# Altium PCB Beagle93.PCBDOC (part 3 of 7)
Units mm, origin at the board's own origin, x right, y up, seen from the top; angles counter-clockwise.
Board outline 86.3 x 85.3 mm, 6 copper layers (TopLayer, MidLayer1, MidLayer2, SignalLayer1, Internal Plane 1, BottomLayer), stack 1.528 mm thick; 387 components, 325 nets, 1796 pads, 884 vias.
Unrouted connection lines stored in the file: 7.
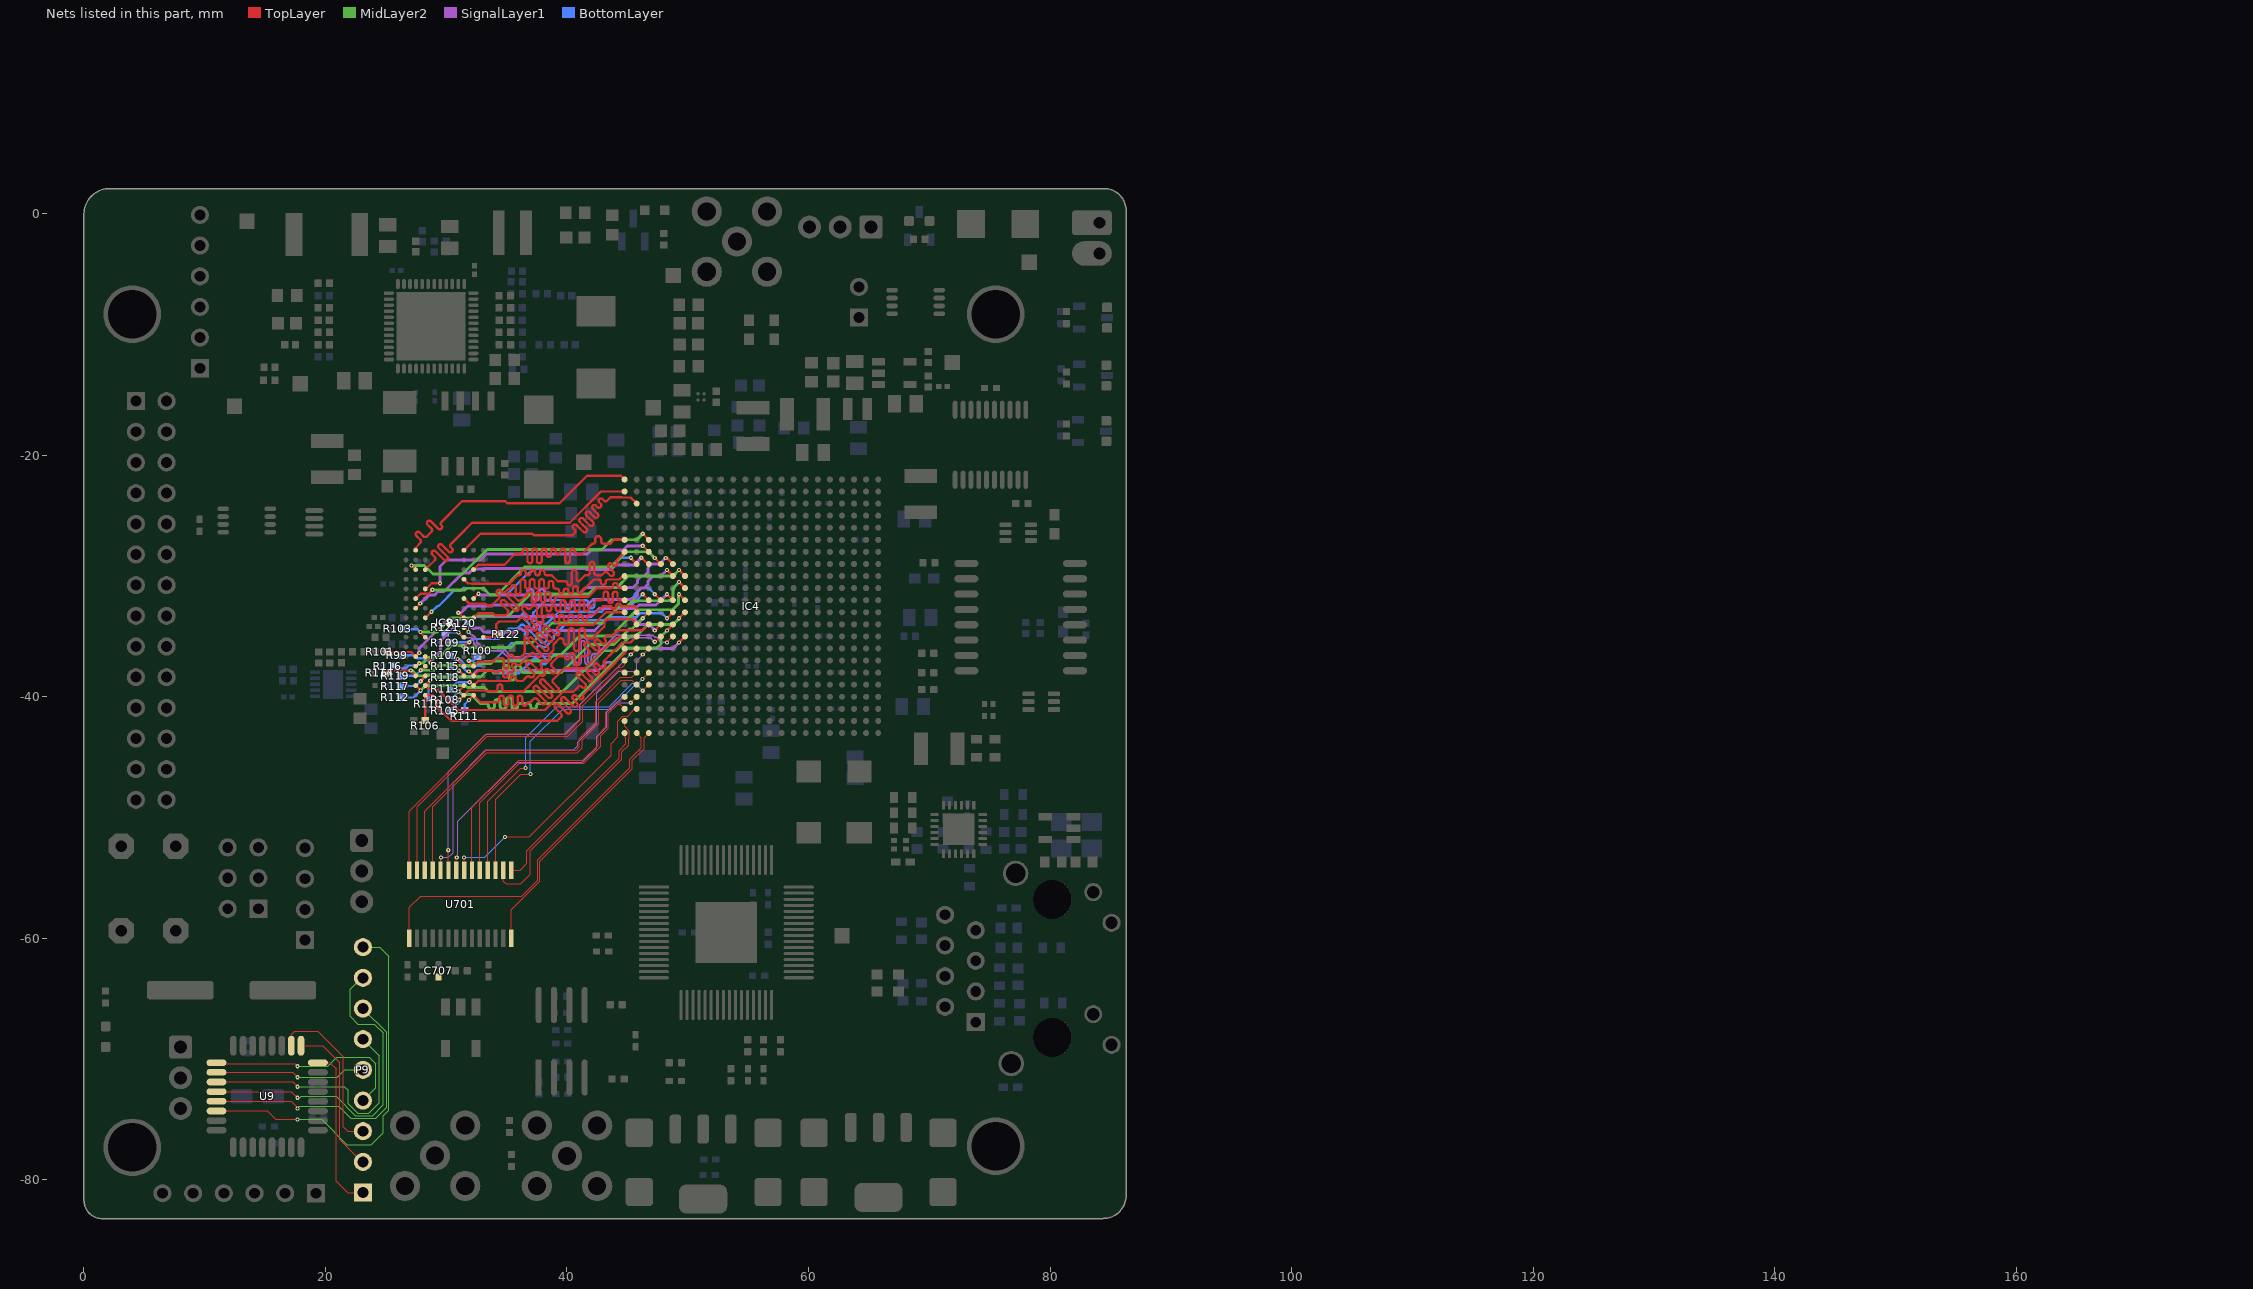
[diagram p7: the nets of this part, all layers, seen from the top]

## Via types
v1: diameter 0.35, hole 0.15, TopLayer to BottomLayer, tented both sides, 544 vias
v2: diameter 0.5, hole 0.2, TopLayer to BottomLayer, tented both sides, 183 vias
v3: diameter 0.6, hole 0.3, TopLayer to BottomLayer, tented both sides, 65 vias
v4: diameter 0.8, hole 0.5, TopLayer to BottomLayer, tented both sides, 53 vias
v5: diameter 0.8, hole 0.5, TopLayer to BottomLayer, 25 vias
v6: diameter 0.61, hole 0.305, TopLayer to BottomLayer, 12 vias
v7: diameter 0.508, hole 0.254, TopLayer to BottomLayer, 1 vias
v8: diameter 0.635, hole 0.381, TopLayer to BottomLayer, 1 vias

## Nets (pads, with @x,y where several pads share a name; then routed paths per layer and width w, separated by ;. In a path a pad name is that pad's centre, name@x,y a point inside that pad or via, vN(x,y) a via of type N, cw(c..) or ccw(c..) an arc to the next point about the centre after c; other vN are vias at no path point) (continued)
D2: P9.1 U9.32 | length 13.6
  TopLayer w0.1: U9.32@19.372,-70.285 20.372,-70.285 20.872,-70.785 20.872,-80.085 21.827,-81.04 P9.1@23.1,-81.04
D3: P9.2 U9.1 | length 12.9
  TopLayer w0.1: U9.1@17.972,-68.885 19.772,-68.885 21.172,-70.285 21.172,-76.685 22.987,-78.5 P9.2@23.1,-78.5
D4: P9.3 U9.2 | length 13.8
  TopLayer w0.1: U9.2@17.172,-68.885 17.172,-67.985 17.472,-67.685 19.372,-67.685 21.472,-69.785 21.472,-75.585 21.847,-75.96 P9.3@23.1,-75.96
D5: P9.4 U9.9 | length 17.3
  TopLayer w0.1: U9.9@10.972,-70.285 11.072,-70.385 17.472,-70.385 v1(17.672,-70.585)
  MidLayer2 w0.1: v1(17.672,-70.585) 20.172,-70.585 20.927,-69.83 23.617,-69.83 24.15,-70.363 24.15,-72.37 P9.4@23.1,-73.42
D6: P9.5 U9.10 | length 12.5
  TopLayer w0.1: U9.10@10.972,-71.085 17.272,-71.085 v1(17.672,-71.485)
  MidLayer2 w0.1: v1(17.672,-71.485) 20.972,-71.485 21.577,-70.88 P9.5@23.1,-70.88
D7: P9.6 U9.11 | length 21.4
  TopLayer w0.1: U9.11@10.972,-71.885 17.272,-71.885 v1(17.672,-72.285)
  MidLayer2 w0.1: v1(17.672,-72.285) 21.572,-72.285 21.872,-72.585 21.872,-73.677 22.665,-74.47 23.587,-74.47 24.472,-73.585 24.472,-69.712 P9.6@23.1,-68.34
D8: P9.7 U9.13 | length 24.3
  TopLayer w0.1: U9.13@10.972,-73.485 17.172,-73.485 17.672,-73.985 v1(17.672,-74.085)
  MidLayer2 w0.1: v1(17.672,-74.085) 17.847,-73.91 21.097,-73.91 22.072,-74.885 24.172,-74.885 25.072,-73.985 25.072,-67.772 P9.7@23.1,-65.8
D9: P9.8 U9.12 | length 28
  TopLayer w0.1: U9.12@10.972,-72.685 17.172,-72.685 v1(17.672,-73.185)
  MidLayer2 w0.1: v1(17.672,-73.185) 17.872,-73.185 17.972,-73.085 20.872,-73.085 22.448,-74.661 23.896,-74.661 24.772,-73.785 24.772,-67.809 24.048,-67.085 22.678,-67.085 22.05,-66.457 22.05,-64.207 22.997,-63.26 P9.8@23.1,-63.26
D10: P9.9 U9.14 | length 32.7
  TopLayer w0.1: U9.14@10.972,-74.285 15.172,-74.285 15.872,-74.985 v1(17.672,-74.985)
  MidLayer2 w0.1: v1(17.672,-74.985) 19.672,-74.985 21.772,-77.085 23.772,-77.085 24.772,-76.085 24.772,-74.685 25.248,-74.209 25.248,-61.461 24.507,-60.72 P9.9@23.1,-60.72
DAC_3V3A: C707.1
DAC_CLK: IC4.AB3 U701.28 | length 21.7
  TopLayer w0.095: U701.28@35.379,-59.981 35.379,-57.638 37.756,-55.261 37.756,-53.601 45.412,-45.945 45.412,-45.249 46.382,-44.28 46.382,-43.375 IC4.AB3@46.772,-42.985
DAC_D0: IC4.T1 U701.14 | length 28.8
  TopLayer w0.095: U701.14@26.929,-54.342 26.929,-49.468 33.372,-43.025 39.98,-43.025 41.105,-41.9 41.105,-40.629 43.897,-37.837 44.204,-37.53 44.566,-37.53 44.772,-37.324 IC4.T1@44.772,-36.985
DAC_D1: IC4.U1 U701.13 | length 28
  TopLayer w0.095: U701.13@27.579,-54.342 27.579,-49.078 33.412,-43.245 40.071,-43.245 40.2,-43.116 41.325,-41.991 41.325,-40.72 44.295,-37.75 44.537,-37.75 IC4.U1@44.772,-37.985
DAC_D2: IC4.U2 U701.12 | length 28.6
  TopLayer w0.095: U701.12@28.229,-54.342 28.229,-49.469 33.299,-44.4 38.937,-44.4 40.75,-44.4 41.03,-44.12 41.03,-43.472 42.394,-42.108 42.394,-40.39 43.38,-39.404 44.409,-38.375 44.803,-38.375 45.382,-38.375 IC4.U2@45.772,-37.985
DAC_D3: IC4.V2 U701.11 | length 28
  TopLayer w0.095: U701.11@28.879,-54.342 28.879,-49.08 33.339,-44.62 40.841,-44.62 41.25,-44.211 41.25,-43.563 42.614,-42.199 42.614,-40.481 44.5,-38.595 44.712,-38.595 45.382,-38.595 IC4.V2@45.772,-38.985
DAC_D4: IC4.R3 U701.10 | length 30.9
  TopLayer w0.1: U701.10@29.529,-54.342 29.529,-53.328 v1(29.572,-53.285) ; v1(46.272,-36.485) IC4.R3@46.772,-35.985
  SignalLayer1 w0.1: v1(29.572,-53.285) 30.172,-53.285 30.572,-52.885 30.572,-47.085 33.272,-44.385 40.557,-44.385 40.896,-44.046 40.896,-43.761 42.472,-42.185 42.472,-39.685 44.272,-37.885 45.672,-37.885 45.772,-37.785 45.772,-36.985 v1(46.272,-36.485)
DAC_D5: IC4.R2 U701.9 | length 28.7
  TopLayer w0.095: v1(30.172,-52.685) 30.179,-52.692 U701.9@30.179,-54.342
  TopLayer w0.125: v1(45.276,-36.486) 45.772,-35.989 IC4.R2@45.772,-35.985
  SignalLayer1 w0.095: v1(30.172,-52.685) 30.172,-46.185 33.272,-43.085 39.83,-43.085 41.072,-41.843 41.072,-40.643 45.229,-36.486 v1(45.276,-36.486)
DAC_D6: IC4.W2 U701.8 | length 24.4
  TopLayer w0.1: U701.8@30.829,-54.342 30.829,-53.328 v1(30.872,-53.285) ; v1(45.272,-40.485) IC4.W2@45.772,-39.985
  SignalLayer1 w0.1: v1(30.872,-53.285) 30.948,-53.209 30.948,-50.309 35.872,-45.385 41.272,-45.385 42.472,-44.185 42.472,-43.285 43.272,-42.485 43.272,-41.285 44.072,-40.485 v1(45.272,-40.485)
DAC_D7: IC4.Y2 U701.7 | length 21.8
  TopLayer w0.095: v1(31.472,-53.285) 31.479,-53.292 U701.7@31.479,-54.342 ; v1(34.872,-51.585) 36.872,-51.585 43.651,-44.806 43.651,-43.855 44.193,-43.313 44.193,-42.017 44.619,-41.591 45.023,-41.591 45.582,-41.033 45.725,-41.033 IC4.Y2@45.772,-40.985
  BottomLayer w0.095: v1(31.472,-53.285) 33.172,-53.285 v1(34.872,-51.585)
DAC_D8: IC4.W1 U701.6 | length 22.9
  TopLayer w0.095: U701.6@32.129,-54.342 32.129,-49.141 36.015,-45.255 41.305,-45.255 42.568,-43.992 42.568,-43.128 43.211,-42.485 43.211,-41.273 44.109,-40.375 44.382,-40.375 IC4.W1@44.772,-39.985
DAC_D9: IC4.Y1 U701.5 | length 22.3
  TopLayer w0.095: U701.5@32.779,-54.342 32.779,-48.751 36.055,-45.475 41.396,-45.475 42.788,-44.083 42.788,-43.22 43.431,-42.576 43.431,-41.364 44.2,-40.595 44.382,-40.595 IC4.Y1@44.772,-40.985
DAC_D10: IC4.U3 U701.4 | length 24.9
  TopLayer w0.095: U701.4@33.429,-54.342 33.429,-48.628 36.172,-45.885 v1(36.572,-45.885) ; v1(46.26,-38.515) 46.26,-38.497 IC4.U3@46.772,-37.985
  BottomLayer w0.095: v1(36.572,-45.885) 36.572,-43.385 39.15,-40.807 43.492,-40.807 45.424,-38.875 45.882,-38.875 46.242,-38.515 v1(46.26,-38.515)
DAC_D11: IC4.V3 U701.3 | length 24.4
  TopLayer w0.095: U701.3@34.079,-54.342 34.079,-48.478 36.172,-46.385 v1(36.972,-46.385) ; v1(46.272,-39.485) IC4.V3@46.772,-38.985
  BottomLayer w0.095: v1(36.972,-46.385) 36.972,-43.685 39.63,-41.027 43.584,-41.027 45.515,-39.095 45.882,-39.095 v1(46.272,-39.485)
DAC_D12: IC4.AA1 U701.2 | length 19.8
  TopLayer w0.095: U701.2@34.729,-54.342 34.729,-55.242 34.972,-55.485 36.172,-55.485 36.972,-54.685 36.972,-52.739 44.549,-45.162 44.549,-44.532 45.099,-43.982 45.099,-43.475 45.158,-43.416 45.158,-42.825 44.772,-42.439 IC4.AA1@44.772,-41.985
DAC_D13: IC4.AB1 U701.1 | length 15.8
  TopLayer w0.095: U701.1@35.379,-54.342 36.115,-54.342 36.672,-53.785 36.672,-52.725 41.412,-47.985 41.415,-47.985 43.507,-45.893 44.18,-45.22 44.329,-45.071 44.329,-44.441 44.879,-43.89 44.879,-43.389 44.772,-43.283 IC4.AB1@44.772,-42.985 IC4.AB1@44.725,-42.938
DAC_SLEEP: IC4.AB2 U701.15 | length 30
  TopLayer w0.095: U701.15@26.929,-59.981 26.929,-57.428 27.872,-56.485 36.272,-56.485 37.572,-55.185 37.572,-53.462 45.192,-45.841 45.192,-45.158 46.162,-44.189 46.162,-43.375 IC4.AB2@45.772,-42.985
DDR3_A0: IC4.L6 IC8.N3 R119.1 | length 27.5
  TopLayer w0.19: v1(27.885,-37.79) 27.932,-37.79 28.267,-37.455 IC8.N3@28.267,-37.451 ; v1(49.272,-31.485) IC4.L6@49.772,-31.985
  MidLayer2 w0.24: v1(27.885,-37.79) 28.985,-37.79 29.4,-37.375 31.607,-37.375 31.676,-37.445 32.045,-37.445 32.265,-37.225 33.698,-37.225 33.917,-37.006 36.825,-37.006 38.444,-37.006 38.925,-36.525 39.485,-36.525 41.076,-34.934 43.77,-34.934 43.795,-34.91 44.055,-34.649 44.055,-34.545 45.825,-32.775 48.725,-32.775 49.25,-32.25 49.25,-31.507 v1(49.272,-31.485)
  BottomLayer w0.19: R119.1@26.345,-38.175 26.405,-38.235 27.44,-38.235 v1(27.885,-37.79)
DDR3_A1: IC4.M5 IC8.P7 R118.1 | length 24.6
  TopLayer w0.19: v1(31.05,-37.834) IC8.P7@31.467,-38.251 ; v1(48.272,-33.485) IC4.M5@48.772,-32.985
  BottomLayer w0.19: R118.1@30.37,-38.375 30.509,-38.375 v1(31.05,-37.834) 31.526,-38.31 32.896,-38.31 33.375,-37.831 33.723,-37.831 33.917,-38.025 36.05,-38.025 37.05,-37.025 37.214,-36.861 cw(c37.387,-37.034) 37.561,-36.861 37.922,-37.222 ccw(c38.095,-37.049) 38.268,-37.222 ccw(c38.095,-37.049) 38.268,-36.876 37.734,-36.341 37.561,-36.168 cw(c37.734,-35.995) 37.561,-35.821 cw(c37.734,-35.995) 37.907,-35.821 ccw(c38.08,-35.648) 38.254,-35.822 38.427,-35.648 38.6,-35.475 38.9,-35.175 38.9,-34.95 39.8,-34.05 40.22,-33.63 43.161,-33.63 43.401,-33.39 45.773,-33.39 46.098,-33.065 47.84,-33.065 47.969,-33.194 47.981,-33.194 v1(48.272,-33.485)
DDR3_A2: IC4.P6 IC8.P3 R117.1 | length 26.2
  TopLayer w0.19: v1(27.885,-38.69) 27.872,-38.69 27.86,-38.678 27.86,-38.658 IC8.P3@28.267,-38.251 ; v1(49.272,-35.485) IC4.P6@49.772,-34.985
  SignalLayer1 w0.24: v1(27.885,-38.69) 27.86,-38.665 28.345,-38.18 28.859,-38.18 29.014,-38.335 32.044,-38.335 32.573,-37.806 33.827,-37.806 33.917,-37.896 34.285,-37.896 34.375,-37.806 42.6,-37.806 43.281,-37.125 43.875,-37.125 45,-36 48.757,-36 v1(49.272,-35.485)
  BottomLayer w0.19: R117.1@26.245,-38.95 26.38,-39.085 27.49,-39.085 v1(27.885,-38.69)
DDR3_A3: IC4.K6 IC8.N2 R116.1 | length 28.1
  TopLayer w0.19: IC8.N2@27.467,-37.451 27.713,-37.205 v1(27.771,-37.205) ; v1(49.275,-30.488) IC4.K6@49.772,-30.985
  MidLayer2 w0.24: v1(27.771,-37.205) 28.054,-37.205 28.539,-36.72 29.43,-36.72 30.4,-35.75 31.566,-35.75 31.725,-35.91 35.365,-35.91 35.775,-35.5 37.125,-35.5 38.75,-33.875 42.955,-33.875 44.305,-32.525 44.95,-32.525 45.44,-32.035 48.44,-32.035 48.775,-31.7 48.775,-31 49.275,-30.5 v1(49.275,-30.488)
  BottomLayer w0.19: R116.1@25.805,-37.61 26.671,-37.61 26.886,-37.395 27.234,-37.395 27.239,-37.4 27.574,-37.4 v1(27.771,-37.205)
DDR3_A4: IC4.M1 IC8.P8 R115.1 | length 27.6
  TopLayer w0.19: v1@31.82,-37.8 31.86,-37.84 v1(31.86,-37.89) 31.906,-37.89 IC8.P8@32.267,-38.251 32.687,-37.831 32.904,-37.831 32.908,-37.835 33.226,-37.835 33.23,-37.831 33.887,-37.831 34.006,-37.95 34.125,-37.95 34.32,-37.95 cw(c34.465,-37.95) 34.465,-37.805 34.565,-37.805 cw(c34.565,-37.95) 34.71,-37.95 34.71,-38.197 ccw(c34.905,-38.197) 34.905,-38.392 ccw(c34.905,-38.197) 35.1,-38.197 35.1,-38.145 cw(c35.295,-38.145) 35.295,-37.95 35.475,-37.95 35.55,-37.875 ccw(c35.412,-37.737) 35.55,-37.599 35.494,-37.543 cw(c35.632,-37.405) 35.494,-37.267 cw(c35.632,-37.405) 35.77,-37.267 35.826,-37.323 ccw(c35.964,-37.186) 36.102,-37.323 36.239,-37.186 36.3,-37.125 36.975,-36.45 37.019,-36.406 cw(c37.157,-36.544) 37.295,-36.406 37.53,-36.641 ccw(c37.668,-36.504) 37.806,-36.641 ccw(c37.668,-36.504) 37.806,-36.366 37.433,-35.993 36.836,-35.396 cw(c36.974,-35.258) 36.836,-35.12 cw(c36.974,-35.258) 37.112,-35.12 37.708,-35.717 38.131,-36.14 ccw(c38.269,-36.002) 38.407,-36.14 ccw(c38.269,-36.002) 38.407,-35.864 37.984,-35.441 37.543,-35 cw(c37.68,-34.862) 37.543,-34.724 cw(c37.68,-34.862) 37.818,-34.724 38.26,-35.165 38.475,-35.38 ccw(c38.613,-35.242) 38.751,-35.38 ccw(c38.613,-35.242) 38.751,-35.104 38.536,-34.889 38.094,-34.448 cw(c38.232,-34.31) 38.094,-34.172 cw(c38.232,-34.31) 38.37,-34.172 38.811,-34.614 39.041,-34.844 ccw(c39.179,-34.706) 39.317,-34.844 ccw(c39.179,-34.706) 39.317,-34.568 39.225,-34.476 cw(c39.363,-34.338) 39.225,-34.2 39.4,-34.025 42.2,-34.025 43.24,-32.985 44.375,-32.985 IC4.M1@44.772,-32.985
  BottomLayer w0.19: R115.1@30.37,-37.45 30.406,-37.414 31.224,-37.414 31.7,-37.89 v1(31.86,-37.89)
DDR3_A5: IC4.M3 IC8.P2 R114.1 | length 27.8
  TopLayer w0.19: R114.1@25.089,-37.881 25.155,-37.815 26.488,-37.815 26.508,-37.835 26.826,-37.835 26.846,-37.815 v1(27.06,-37.815) 27.06,-37.824 27.05,-37.834 IC8.P2@27.467,-38.251 ; v1(46.272,-33.485) IC4.M3@46.772,-32.985
  MidLayer2 w0.24: v1(27.06,-37.815) 27.21,-37.815 27.64,-38.245 28.426,-38.245 28.491,-38.18 28.859,-38.18 29.014,-38.335 32.836,-38.335 33.365,-37.806 33.733,-37.806 33.902,-37.975 34.5,-37.975 ccw(c34.5,-37.735) 34.74,-37.735 34.74,-37.615 cw(c34.98,-37.615) 34.98,-37.375 cw(c34.98,-37.615) 35.22,-37.615 35.22,-37.975 35.22,-38.367 ccw(c35.46,-38.367) 35.46,-38.607 ccw(c35.46,-38.367) 35.7,-38.367 35.7,-37.975 35.7,-37.615 cw(c35.94,-37.615) 35.94,-37.375 cw(c35.94,-37.615) 36.18,-37.615 36.18,-37.735 ccw(c36.42,-37.735) 36.42,-37.975 37.075,-37.975 39.55,-37.975 41.875,-35.65 43.875,-35.65 45.15,-34.375 45.382,-34.375 v1(46.272,-33.485)
DDR3_A6: IC4.N2 IC8.R8 R113.1 | length 28.1
  TopLayer w0.19: v1(31.938,-38.78) 31.996,-38.78 IC8.R8@32.267,-39.051 32.651,-38.667 33.371,-38.667 33.375,-38.671 35.1,-38.671 35.126,-38.671 ccw(c35.126,-38.477) 35.32,-38.477 cw(c35.54,-38.477) 35.54,-38.257 cw(c35.54,-38.477) 35.76,-38.477 ccw(c35.954,-38.477) 35.954,-38.671 36.2,-38.671 36.329,-38.671 ; 35.845,-38.68 36.32,-38.68 36.329,-38.671 ; 38.207,-37.013 ccw(c38.097,-37.122) 37.988,-37.013 37.846,-37.154 ccw(c37.963,-37.271) 37.846,-37.388 cw(c37.69,-37.543) 37.846,-37.699 cw(c37.69,-37.543) 37.535,-37.699 37.418,-37.582 36.983,-37.147 ccw(c36.828,-37.303) 36.672,-37.147 ccw(c36.828,-37.303) 36.672,-37.458 37.107,-37.893 37.217,-38.003 cw(c37.061,-38.158) 37.217,-38.314 cw(c37.061,-38.158) 36.905,-38.314 ccw(c36.796,-38.424) 36.686,-38.314 36.485,-38.515 36.329,-38.671 ; 38.208,-37.013 ccw(c38.363,-36.858) 38.519,-37.013 ccw(c38.363,-36.858) 38.519,-36.702 cw(c38.629,-36.592) 38.519,-36.481 38.719,-36.281 38.875,-36.125 38.875,-35.65 39.4,-35.125 39.485,-35.125 cw(c39.485,-35.345) 39.705,-35.345 39.705,-35.443 ccw(c39.925,-35.443) 39.925,-35.663 ccw(c39.925,-35.443) 40.145,-35.443 40.145,-35.125 40.145,-34.524 cw(c40.365,-34.524) 40.365,-34.304 cw(c40.365,-34.524) 40.585,-34.524 40.585,-35.125 40.585,-35.97 ccw(c40.805,-35.97) 40.805,-36.19 ccw(c40.805,-35.97) 41.025,-35.97 41.025,-35.125 41.025,-34.524 cw(c41.245,-34.524) 41.245,-34.304 cw(c41.245,-34.524) 41.465,-34.524 41.465,-34.905 ccw(c41.685,-34.905) 41.685,-35.125 41.905,-35.125 42.125,-35.125 42.297,-34.953 42.608,-34.642 42.919,-34.331 43.075,-34.175 43.1,-34.15 43.1,-33.8 43.35,-33.55 45.337,-33.55 IC4.N2@45.772,-33.985
  BottomLayer w0.19: R113.1@30.37,-39.3 30.37,-39.28 30.87,-38.78 v1(31.938,-38.78)
DDR3_A7: IC4.M6 IC8.R2 R112.1 | length 27.6
  TopLayer w0.19: IC8.R2@27.467,-39.051 27.875,-39.459 v1(27.875,-39.475) ; v1(49.272,-33.485) IC4.M6@49.772,-32.985
  MidLayer2 w0.24: v1(27.875,-39.475) 28.28,-39.07 28.859,-39.07 28.879,-39.05 31.579,-39.05 31.754,-39.225 33.15,-39.225 33.485,-39.56 36.75,-39.56 39.175,-39.56 39.615,-39.56 43,-36.175 44.05,-36.175 45.263,-34.963 45.738,-34.963 46.7,-34 48.8,-34 49.272,-33.528 v1(49.272,-33.485)
  BottomLayer w0.19: R112.1@26.245,-39.85 26.445,-40.05 27.3,-40.05 v1(27.875,-39.475) ; v1(49.272,-33.485) v1@49.272,-33.447
DDR3_A8: IC4.P1 IC8.T8 R111.1 | length 28.3
  TopLayer w0.19: v1(31.875,-40.243) IC8.T8@32.267,-39.851 32.851,-40.435 34.2,-40.435 ccw(c34.2,-40.245) 34.39,-40.245 34.39,-40.072 cw(c34.58,-40.072) 34.58,-39.882 cw(c34.58,-40.072) 34.77,-40.072 34.77,-40.435 34.77,-40.538 ccw(c34.96,-40.538) 34.96,-40.728 ccw(c34.96,-40.538) 35.15,-40.538 35.15,-40.435 35.15,-40.072 cw(c35.34,-40.072) 35.34,-39.882 cw(c35.34,-40.072) 35.53,-40.072 35.53,-40.435 35.53,-40.538 ccw(c35.72,-40.538) 35.72,-40.728 ccw(c35.72,-40.538) 35.91,-40.538 35.91,-40.435 35.91,-40.072 cw(c36.1,-40.072) 36.1,-39.882 cw(c36.1,-40.072) 36.29,-40.072 36.29,-40.435 36.29,-40.538 ccw(c36.48,-40.538) 36.48,-40.728 ccw(c36.48,-40.538) 36.67,-40.538 ; 36.67,-40.62 cw(c36.855,-40.62) 36.855,-40.435 36.973,-40.435 37.107,-40.301 37.241,-40.166 cw(c37.376,-40.301) 37.51,-40.166 37.917,-40.573 ccw(c38.052,-40.439) 38.186,-40.573 ccw(c38.052,-40.439) 38.186,-40.305 37.644,-39.763 37.283,-39.402 cw(c37.417,-39.267) 37.283,-39.133 cw(c37.417,-39.267) 37.552,-39.133 37.913,-39.494 38.455,-40.036 ccw(c38.589,-39.902) 38.723,-40.036 ccw(c38.589,-39.902) 38.723,-39.767 38.182,-39.226 37.82,-38.864 cw(c37.955,-38.73) 37.82,-38.595 cw(c37.955,-38.73) 38.089,-38.595 38.451,-38.957 38.992,-39.499 ccw(c39.126,-39.364) 39.261,-39.499 ccw(c39.126,-39.364) 39.261,-39.23 38.854,-38.823 cw(c38.988,-38.688) 38.854,-38.554 39.125,-38.283 39.783,-37.625 41.486,-37.625 43.686,-35.425 43.925,-35.425 44.365,-34.985 IC4.P1@44.772,-34.985 ; 36.67,-40.619 36.67,-40.538
  BottomLayer w0.19: R111.1@31.525,-41.13 31.525,-40.593 v1(31.875,-40.243)
DDR3_A9: IC4.P2 IC8.R3 R110.1 | length 28.6
  TopLayer w0.19: v1(28.675,-38.625) 28.675,-38.634 28.267,-39.042 IC8.R3@28.267,-39.051 28.591,-39.375 29.267,-39.375 30.967,-41.075 38.175,-41.075 39.675,-39.575 40.524,-39.575 40.674,-39.425 40.808,-39.291 40.943,-39.156 cw(c41.077,-39.291) 41.211,-39.156 41.255,-39.2 ccw(c41.39,-39.066) 41.524,-39.2 ccw(c41.39,-39.066) 41.524,-38.932 41.346,-38.753 40.839,-38.246 cw(c40.973,-38.112) 40.839,-37.978 cw(c40.973,-38.112) 41.108,-37.978 41.614,-38.485 41.793,-38.663 ccw(c41.927,-38.528) 42.061,-38.663 ccw(c41.927,-38.528) 42.061,-38.394 41.883,-38.216 41.743,-38.075 cw(c41.877,-37.941) 41.743,-37.807 cw(c41.877,-37.941) 42.011,-37.807 42.152,-37.947 42.33,-38.125 ccw(c42.464,-37.991) 42.599,-38.125 ccw(c42.464,-37.991) 42.599,-37.857 42.421,-37.678 42.28,-37.538 cw(c42.414,-37.404) 42.28,-37.269 cw(c42.414,-37.404) 42.549,-37.269 42.689,-37.41 42.868,-37.588 ccw(c43.002,-37.454) 43.136,-37.588 ccw(c43.002,-37.454) 43.136,-37.319 43.092,-37.275 cw(c43.227,-37.141) 43.092,-37.007 43.774,-36.325 44.282,-35.817 44.282,-35.782 44.569,-35.495 45.262,-35.495 IC4.P2@45.772,-34.985
  BottomLayer w0.19: R110.1@28.525,-40.08 28.525,-38.775 v1(28.675,-38.625)
DDR3_A10: IC4.L4 IC8.L7 R109.1 | length 25.1
  TopLayer w0.19: IC8.L7@31.467,-35.851 31.91,-35.408 v1(31.91,-35.465) ; v1(47.272,-31.485) IC4.L4@47.772,-31.985
  BottomLayer w0.19: R109.1@30.37,-35.6 30.505,-35.465 v1(31.91,-35.465) 32.171,-35.203 34.325,-35.203 35.203,-34.325 35.9,-34.325 36.034,-34.191 36.169,-34.056 cw(c36.303,-34.191) 36.437,-34.056 36.568,-34.187 ccw(c36.702,-34.052) 36.836,-34.187 ccw(c36.702,-34.052) 36.836,-33.918 36.572,-33.653 36.307,-33.389 cw(c36.442,-33.254) 36.307,-33.12 cw(c36.442,-33.254) 36.576,-33.12 36.84,-33.385 37.105,-33.649 ccw(c37.239,-33.515) 37.374,-33.649 ccw(c37.239,-33.515) 37.374,-33.38 37.244,-33.25 cw(c37.378,-33.116) 37.244,-32.982 37.575,-32.65 38.25,-31.975 39.625,-31.975 cw(c39.625,-32.215) 39.865,-32.215 39.865,-32.416 ccw(c40.11,-32.416) 40.11,-32.661 ccw(c40.11,-32.416) 40.355,-32.416 40.355,-32.22 cw(c40.6,-32.22) 40.6,-31.975 41.45,-31.975 41.52,-31.975 cw(c41.52,-32.22) 41.765,-32.22 41.765,-32.416 ccw(c42.01,-32.416) 42.01,-32.661 ccw(c42.01,-32.416) 42.255,-32.416 42.255,-32.22 cw(c42.5,-32.22) 42.5,-31.975 45.236,-31.975 45.361,-31.85 45.361,-31.832 45.605,-31.588 45.605,-31.47 46.1,-30.975 46.762,-30.975 v1(47.272,-31.485)
DDR3_A11: IC4.N5 IC8.R7 R108.1 | length 26.7
  TopLayer w0.19: v1(31.01,-39.54) 31.01,-39.524 31.467,-39.067 IC8.R7@31.467,-39.051 ; v1(48.272,-34.485) IC4.N5@48.772,-33.985
  MidLayer2 w0.24: v1(31.01,-39.54) 31.037,-39.54 31.295,-39.798 32.059,-39.798 32.786,-40.525 33.026,-40.525 33.266,-40.525 cw(c33.266,-40.765) 33.506,-40.765 33.506,-40.772 ccw(c33.746,-40.772) 33.746,-41.012 ccw(c33.746,-40.772) 33.986,-40.772 33.986,-40.525 33.986,-40.447 cw(c34.226,-40.447) 34.226,-40.207 cw(c34.226,-40.447) 34.466,-40.447 34.466,-40.525 34.466,-40.772 ccw(c34.706,-40.772) 34.706,-41.012 ccw(c34.706,-40.772) 34.946,-40.772 34.946,-40.525 34.946,-40.278 cw(c35.186,-40.278) 35.186,-40.038 cw(c35.186,-40.278) 35.426,-40.278 35.426,-40.525 35.426,-40.772 ccw(c35.666,-40.772) 35.666,-41.012 ccw(c35.666,-40.772) 35.906,-40.772 35.906,-40.765 cw(c36.146,-40.765) 36.146,-40.525 36.275,-40.525 36.515,-40.525 36.755,-40.525 cw(c36.755,-40.765) 36.995,-40.765 36.995,-40.772 ccw(c37.235,-40.772) 37.235,-41.012 ccw(c37.235,-40.772) 37.475,-40.772 37.475,-40.765 cw(c37.715,-40.765) 37.715,-40.525 38.58,-40.525 40.45,-40.525 45.05,-35.925 45.055,-35.93 47.456,-35.93 47.775,-35.611 47.775,-34.982 v1(48.272,-34.485)